# Altium PCB POT 10x8.PcbDoc (part 1 of 4)
Units mm, origin at the board's own origin, x right, y up, seen from the top; angles counter-clockwise.
Board outline 130 x 71 mm, 4 copper layers (Top Layer, Mid Layer 1, Mid Layer 2, Bottom Layer), stack 0.97 mm thick; 325 components, 354 nets, 1535 pads, 954 vias.
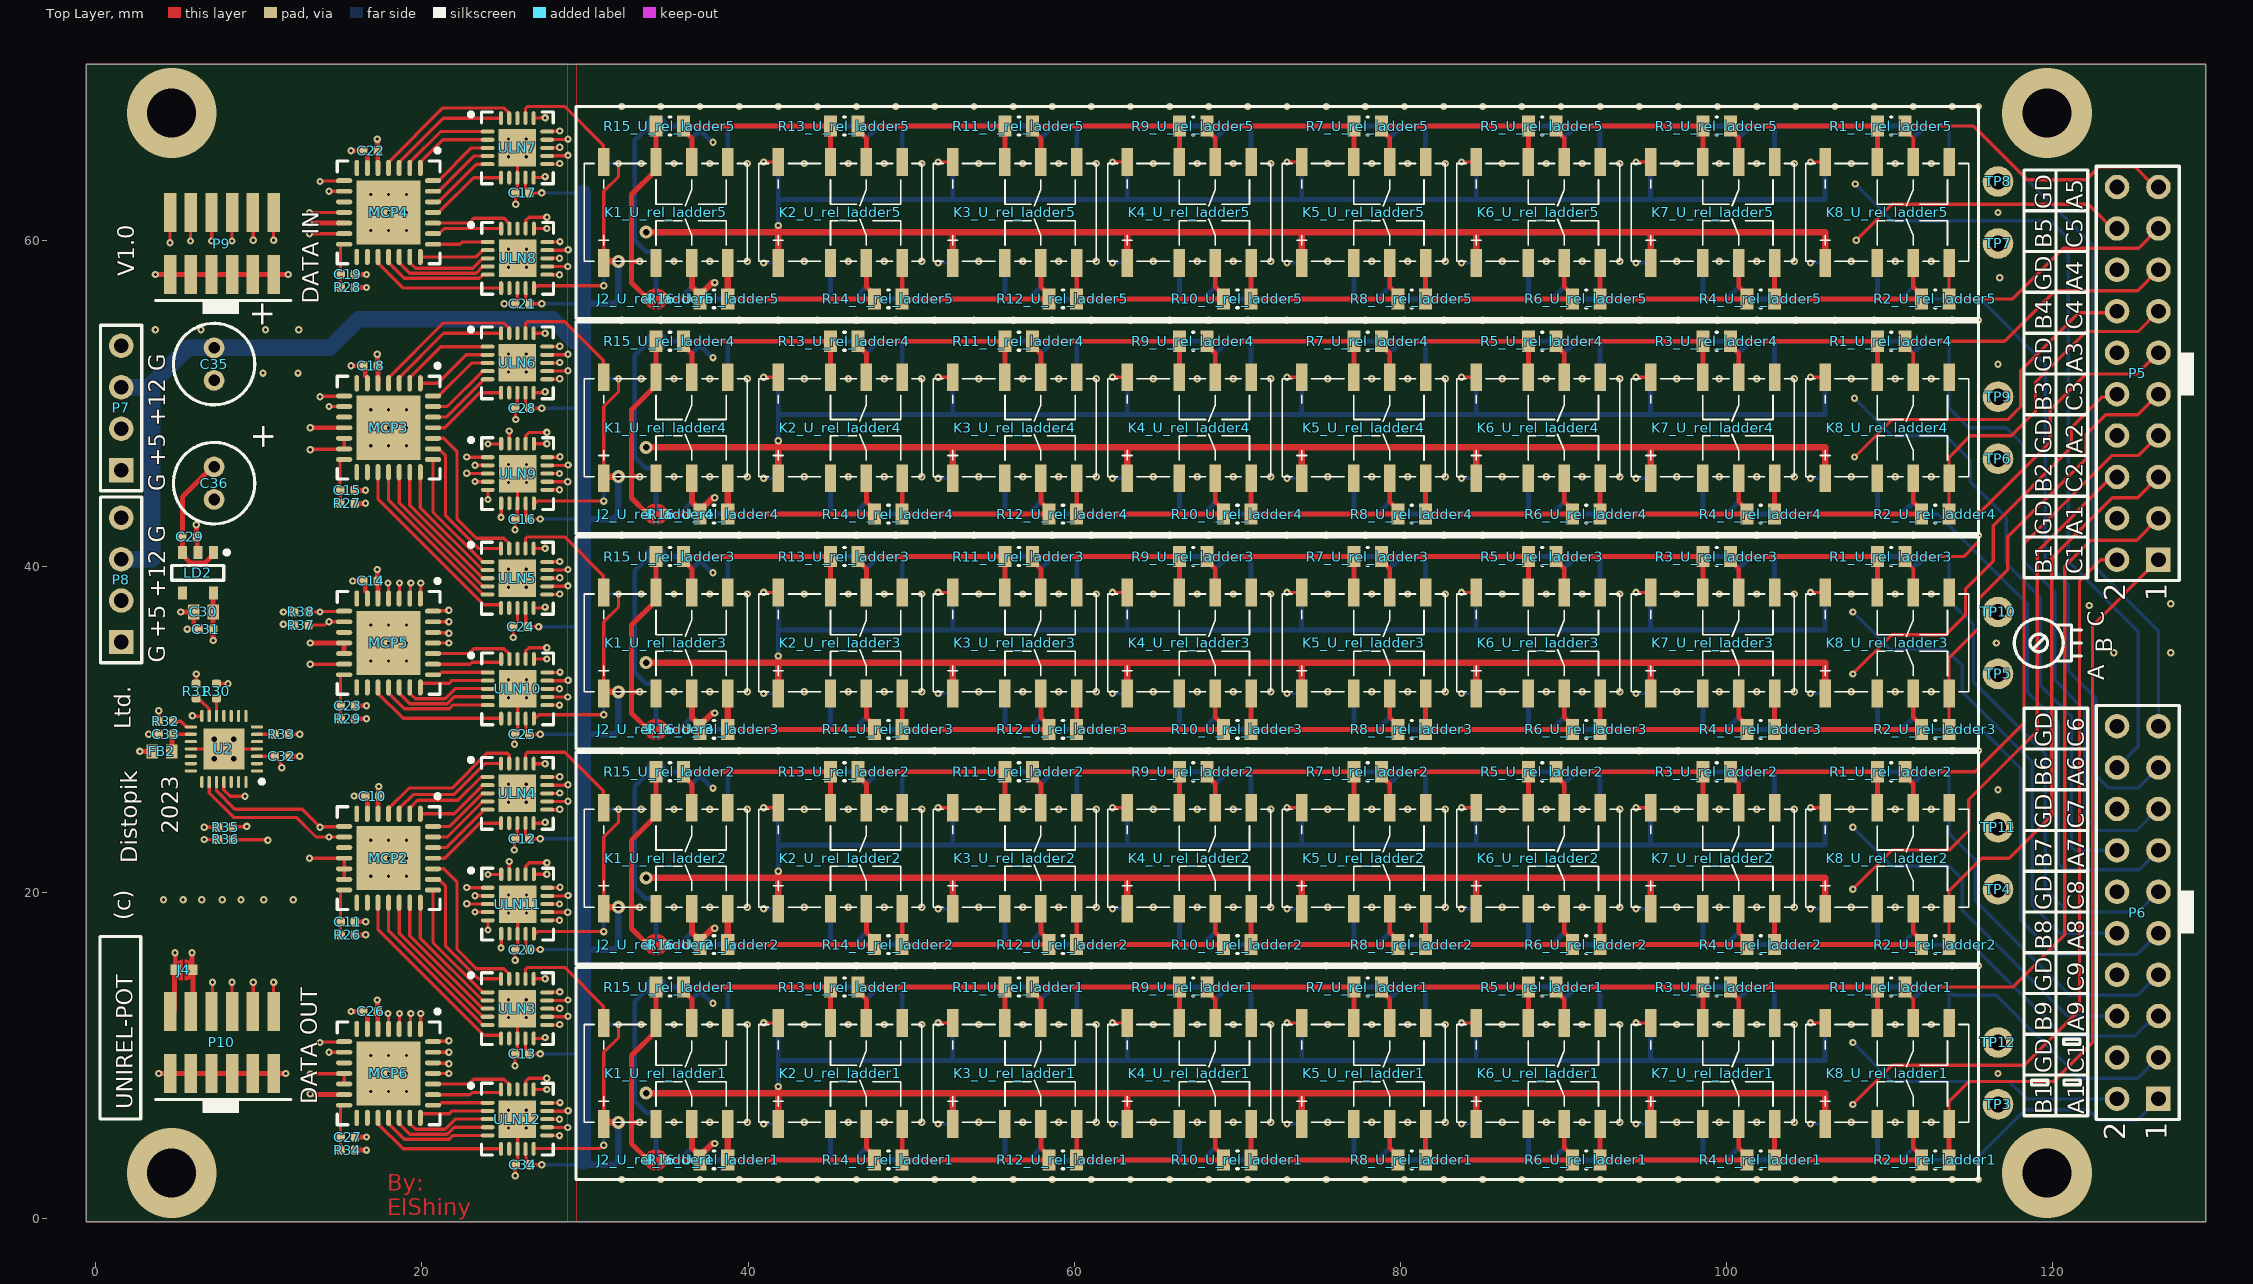
[diagram p0: Top Layer view]
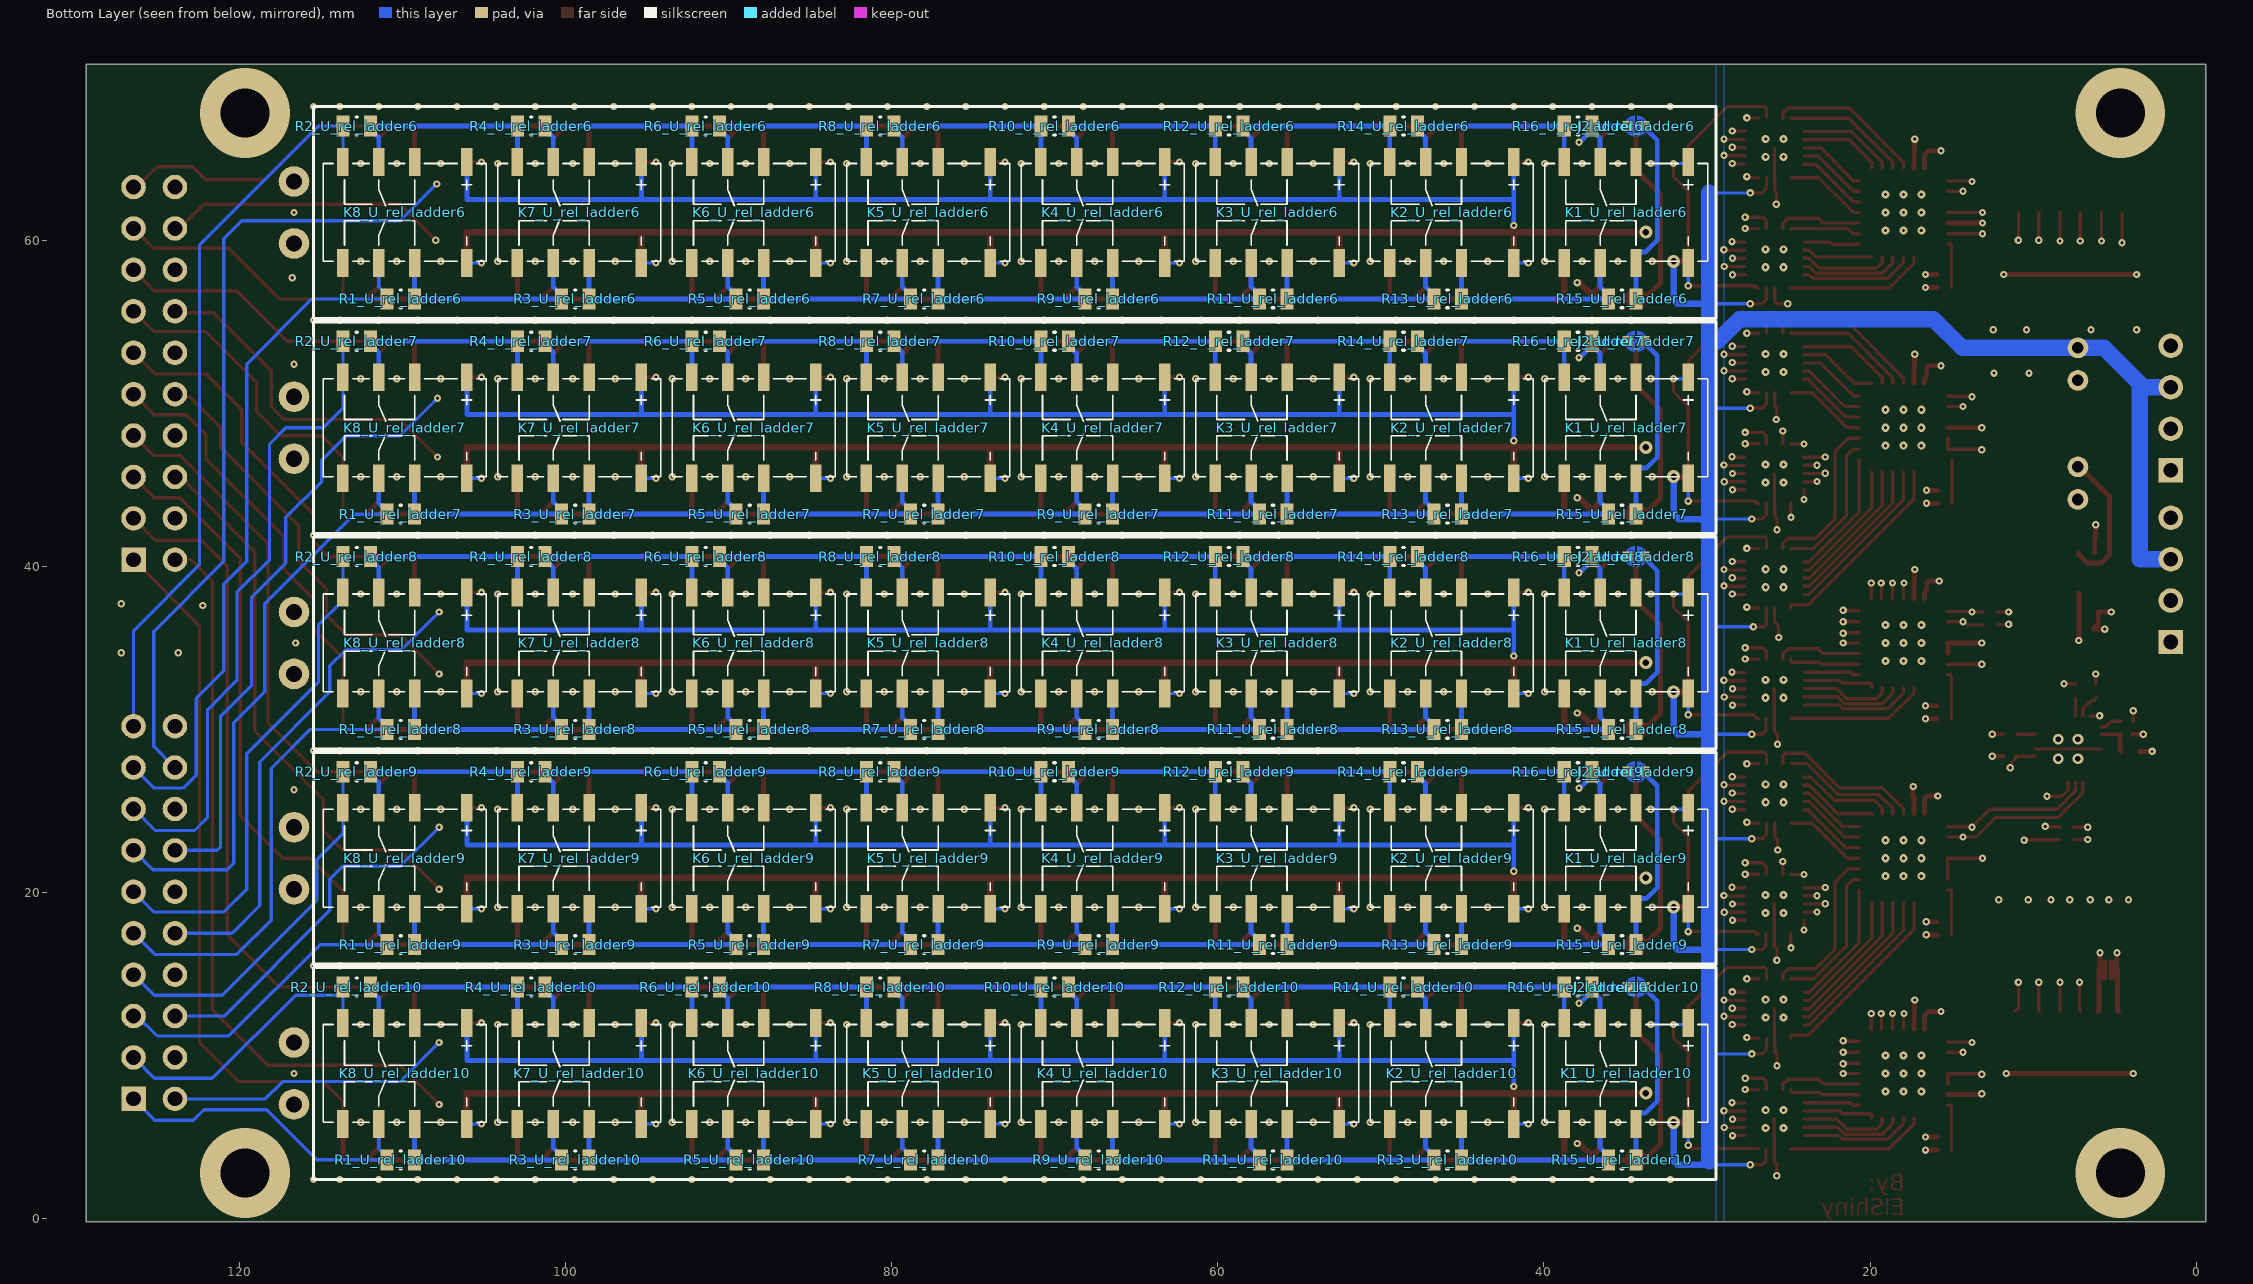
[diagram p1: Bottom Layer view, seen from below]
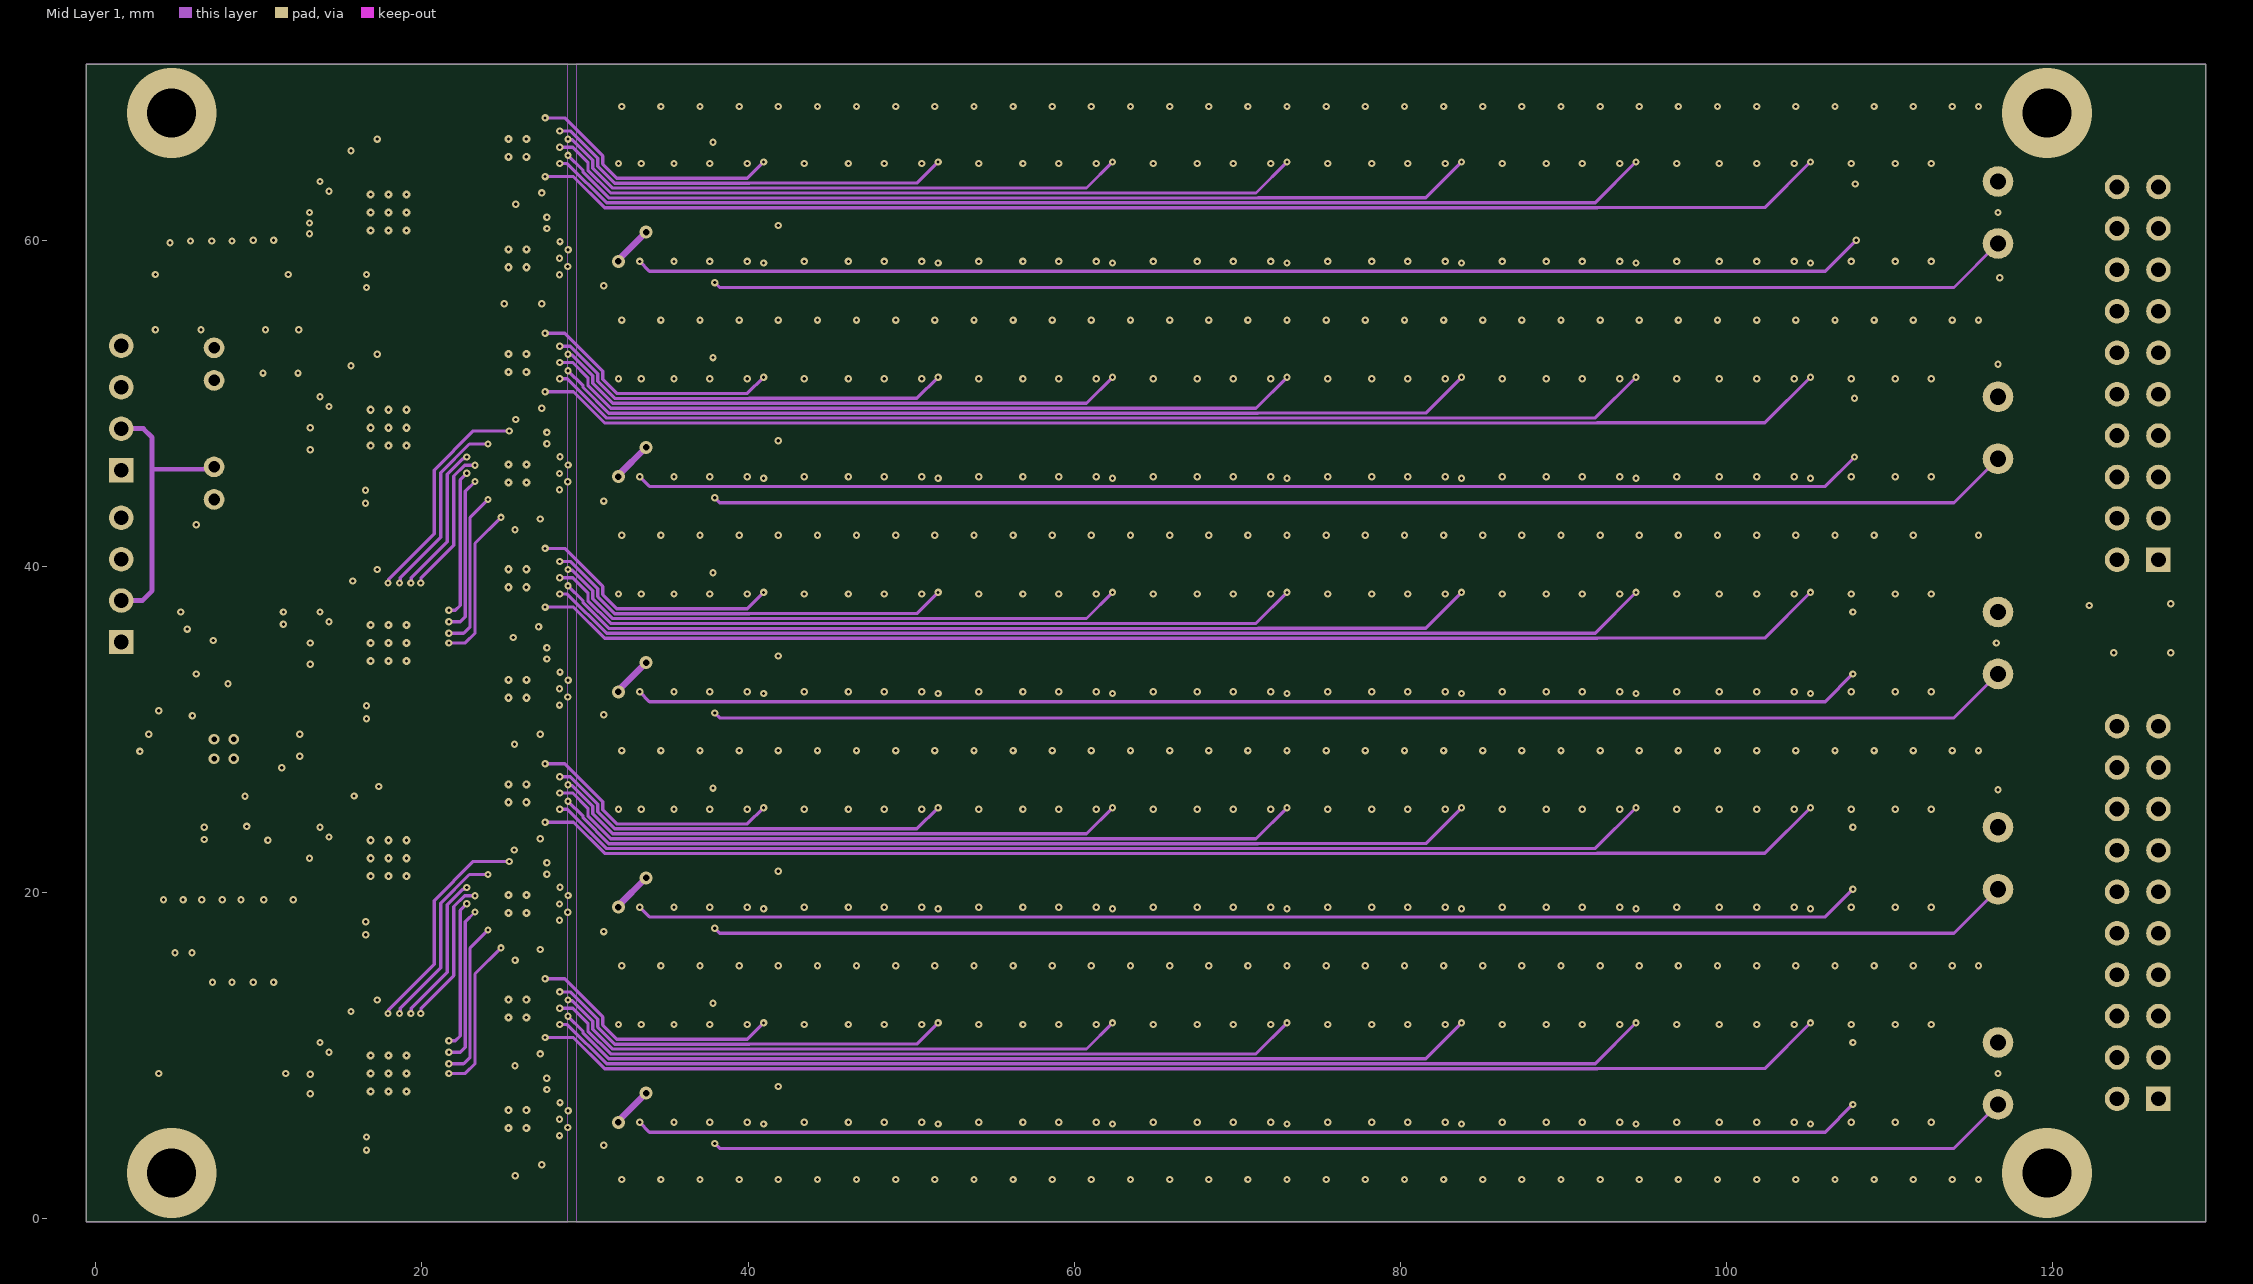
[diagram p2: Mid Layer 1]
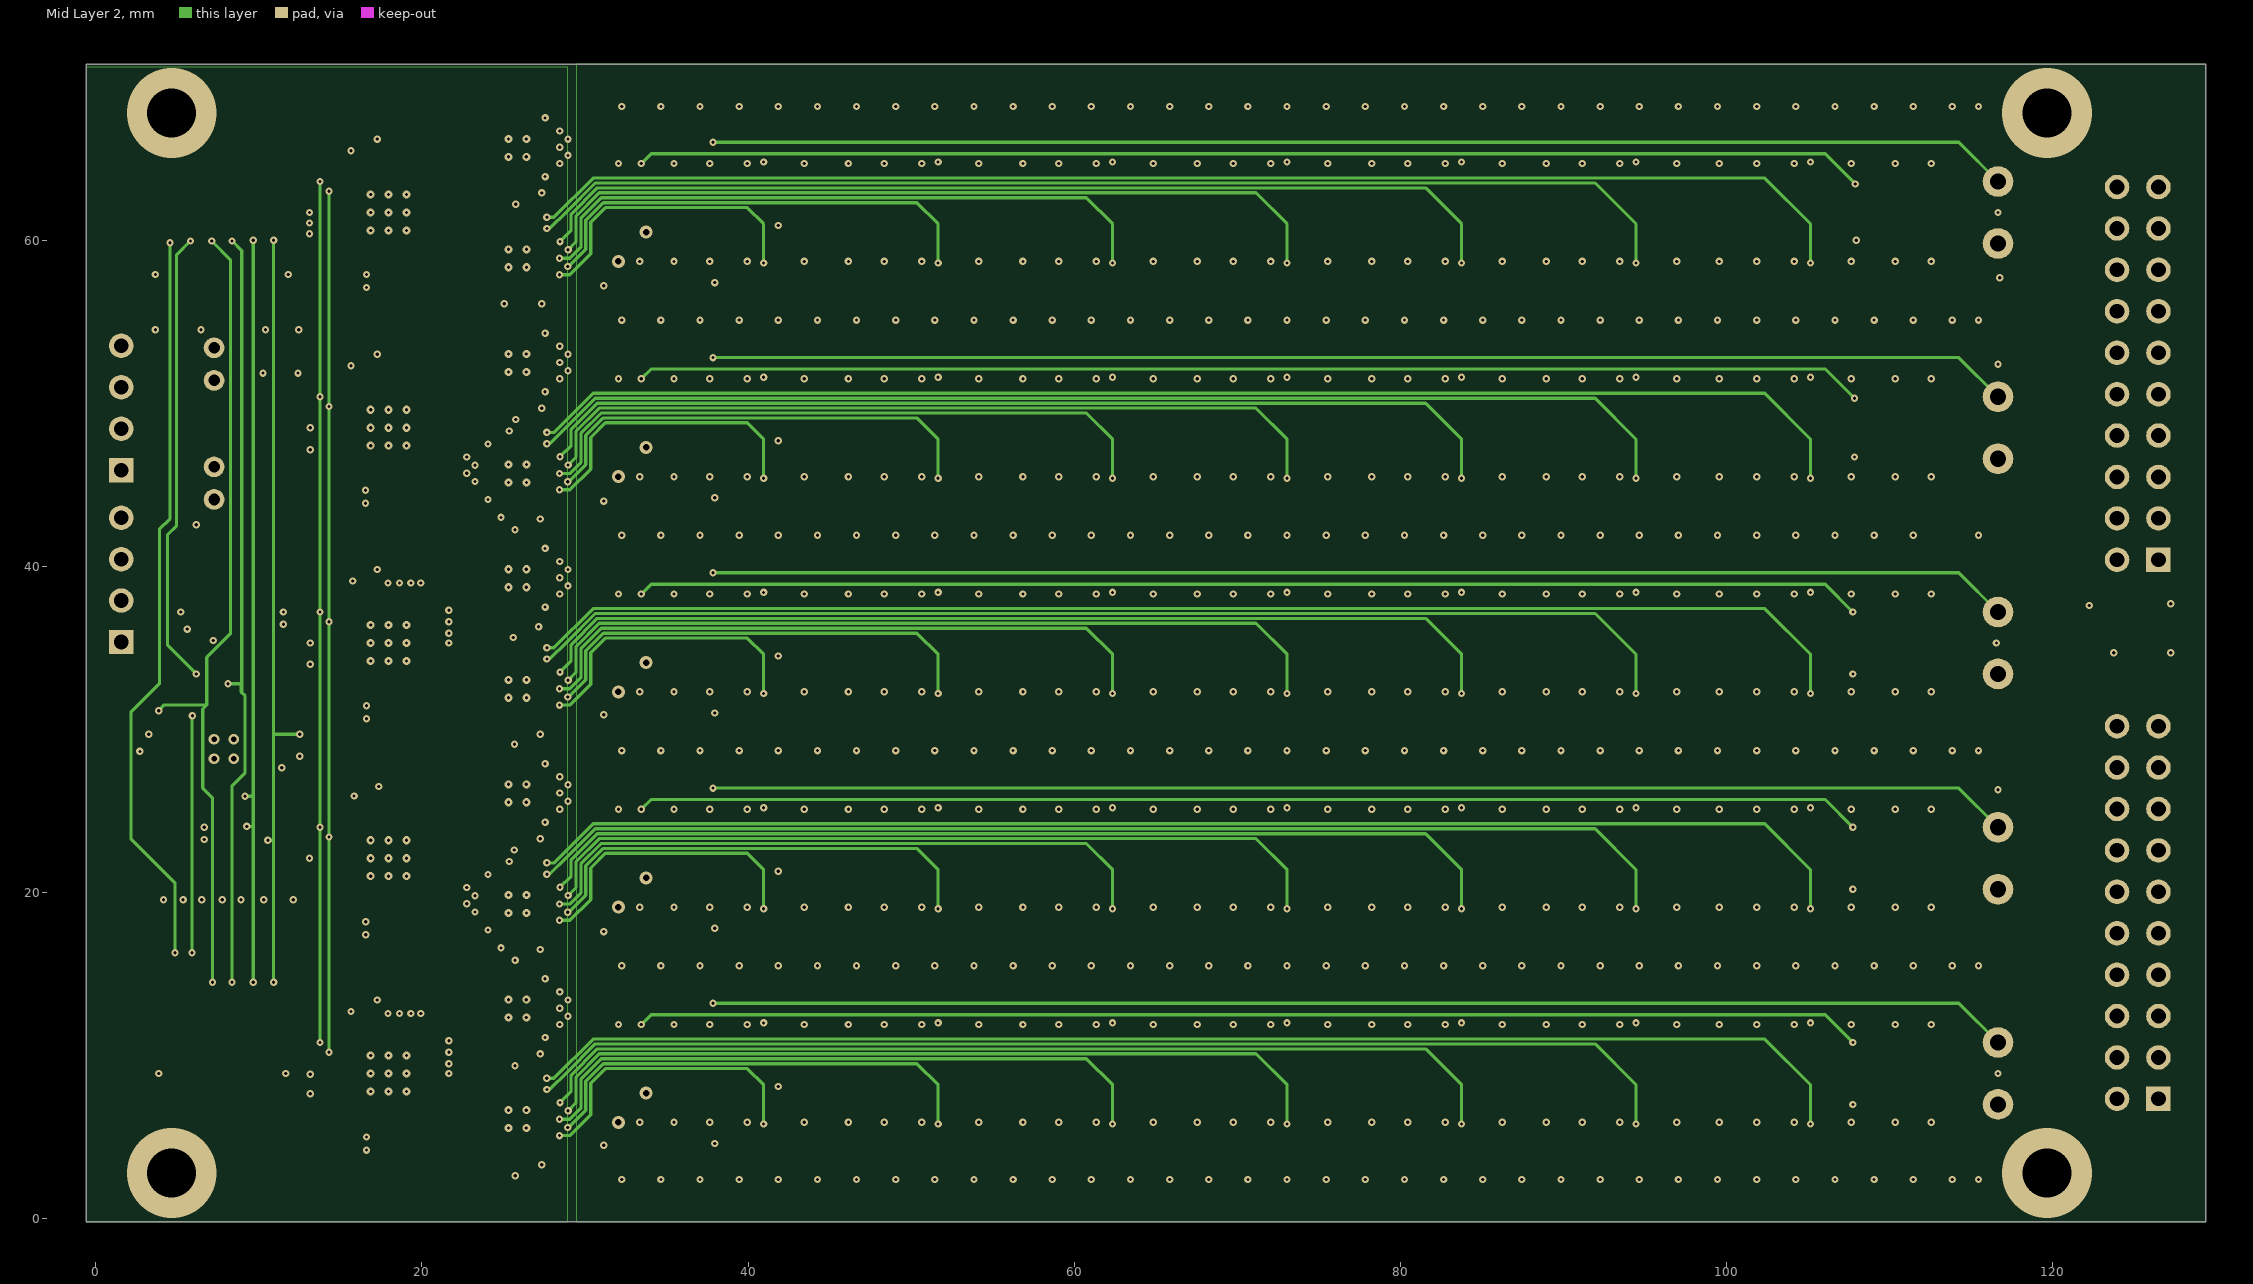
[diagram p3: Mid Layer 2]
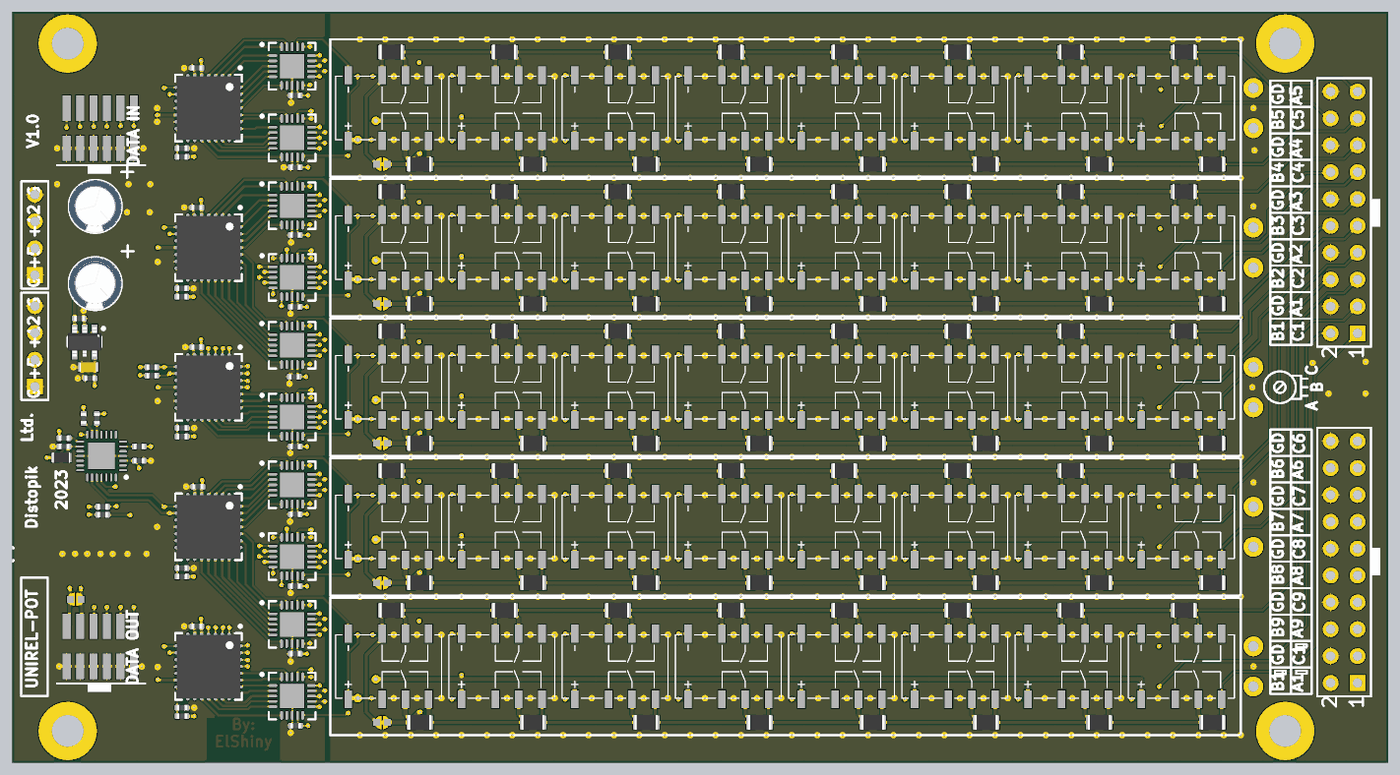
[diagram p7: 3D render of the assembled board from above, using the file's embedded part models]
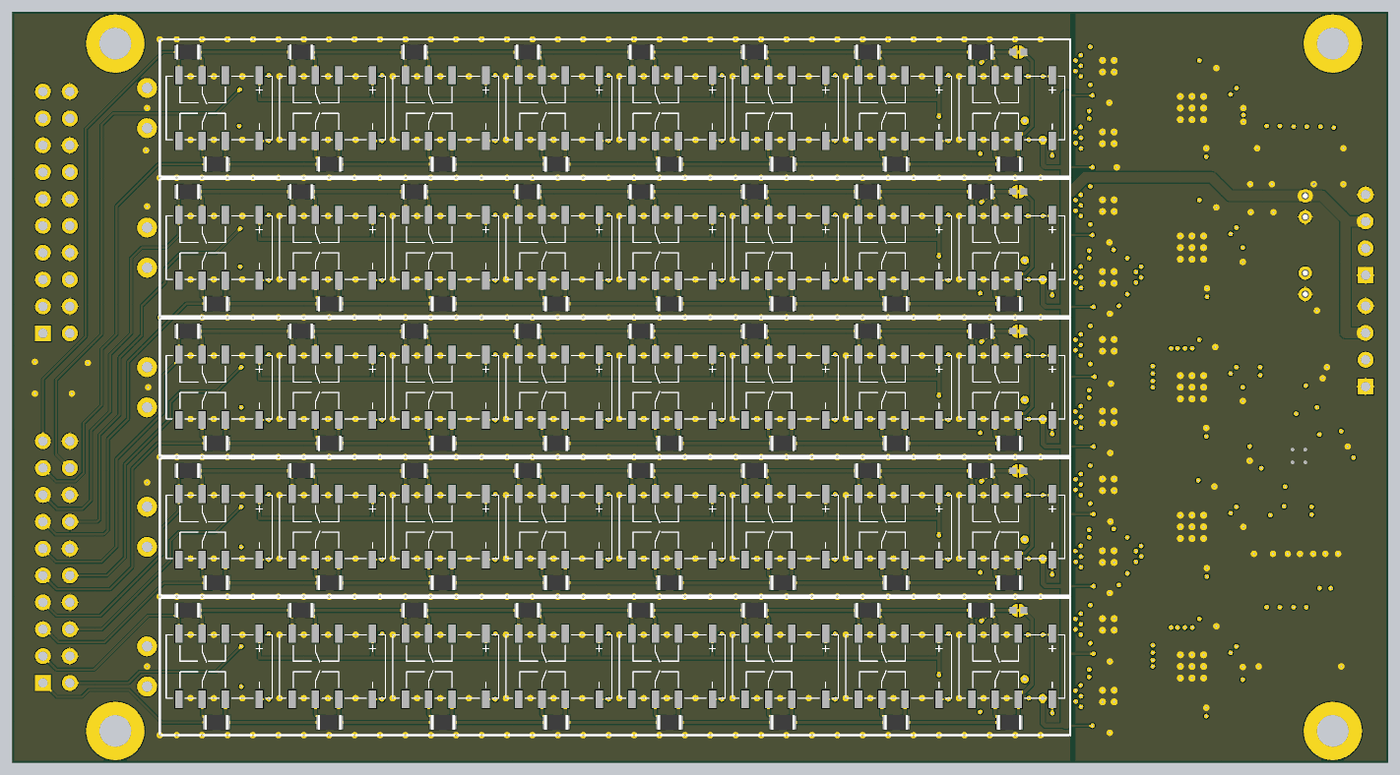
[diagram p8: 3D render of the assembled board from below, using the file's embedded part models]

## Layer stack, top to bottom
Top Solder: solder mask 0.0127, Solder Resist, Dk 3.8
Top Layer: signal copper 0.035
Dielectric 1: prepreg 0.2, 7628, Dk 4.6
Mid Layer 1: signal copper 0.0175
Core: core 0.465, FR-4, Dk 4.5
Mid Layer 2: signal copper 0.0175
Dielectric 2: prepreg 0.2, 7628, Dk 4.6
Bottom Layer: signal copper 0.035
Bottom Solder: solder mask 0.0127, Solder Resist, Dk 3.8

## Board outline
-0.6,-0.2 -0.6,70.8 129.4,70.8 129.4,-0.2

## Design rules (kind name [scope] priority, off if disabled: settings)
BoardOutlineClearance [All] p1: gap=0.2 ignorepadtopadclearanceinfootprint=FALSE
Clearance [All] p1: gap=0.102 ignorepadtopadclearanceinfootprint=FALSE except(0.127: Arc-Via Track-Via SMDPad-Via THPad-Via Via-Via Via-Fill Via-Poly Via-Region Via-Text; 0.25: Arc-Hole Track-Hole SMDPad-Hole THPad-Hole Via-Hole Fill-Hole Poly-Hole Region-Hole Text-Hole)
ComponentClearance [All] p1: gap=0.102 collisioncheckmode=3 verticalgap=0.102 showdistances=TRUE
DiffPairsRouting [All] p1: maxlimit=0.102 minlimit=0.102 mostfreqgap=0.102 toplayer_minwidth=0.102 toplayer_maxwidth=1816.048 toplayer_prefwidth=0.102 midlayer1_minwidth=0.102 midlayer1_maxwidth=1816.048 midlayer1_prefwidth=0.102 midlayer2_minwidth=0.102 midlayer2_maxwidth=1816.048 midlayer2_prefwidth=0.102 bottomlayer_minwidth=0.102 bottomlayer_maxwidth=1816.048 bottomlayer_prefwidth=0.102 maxuncoupledlength=12.7
Height [All] p1: minheight=0 maxheight=1816.048 prefheight=12.7
HoleSize [All] p1: absolutevalues=TRUE maxlimit=6.3 minlimit=0.2 maxpercent=80.000 minpercent=20.000
HoleToHoleClearance [All] p1: gap=0.25 allowstackedmicrovias=FALSE
MinimumAnnularRing [All] p1: minimumring=0.076
MinimumSolderMaskSliver [All] p1: minsoldermaskwidth=0
PlaneClearance [All] p1: clearance=0.102
PlaneConnect PlaneConnectPowerPads [InPadClass('PowerPads')] p1: planeconnectstyle=Direct reliefexpansion=0.508 reliefentries=4 reliefconductorwidth=0.254 reliefairgap=0.254
PlaneConnect [All] p2: pad.planeconnectstyle=Relief pad.reliefexpansion=0.3 pad.reliefentries=4 pad.reliefconductorwidth=0.102 pad.reliefairgap=0.102 via.planeconnectstyle=Direct via.reliefexpansion=0.3 via.reliefentries=4 via.reliefconductorwidth=0.127 via.reliefairgap=0.127
PolygonConnect PolygonConnectPowerPads [All vs (InPadClass('PowerPads'))] p1: connectstyle=Direct reliefconductorwidth=0.254 reliefentries=4 polygonreliefangle="90 Angle" airgapwidth=0.254
PolygonConnect [All] p2: thpad.connectstyle=Relief thpad.reliefconductorwidth=0.102 thpad.reliefentries=4 thpad.polygonreliefangle="90 Angle" thpad.airgapwidth=0.102 smdpad.connectstyle=Relief smdpad.reliefconductorwidth=0.102 smdpad.reliefentries=4 smdpad.polygonreliefangle="90 Angle" smdpad.airgapwidth=0.102 via.connectstyle=Direct via.reliefconductorwidth=0.127 via.reliefentries=4 via.polygonreliefangle="90 Angle" via.airgapwidth=0.127
RoomDefinition U_rel_ladder9 [InComponentClass('U_rel_ladder9')] p1: confinementstyle=ConfineIn formatcopy=FALSE lockcomponents=TRUE outline 22.45,15.5 115.55,15.5 115.55,28.7 22.45,28.7
RoomDefinition U_rel_ladder8 [InComponentClass('U_rel_ladder8')] p2: confinementstyle=ConfineIn formatcopy=FALSE lockcomponents=TRUE outline 22.45,28.7 115.55,28.7 115.55,41.9 22.45,41.9
RoomDefinition U_rel_ladder7 [InComponentClass('U_rel_ladder7')] p3: confinementstyle=ConfineIn formatcopy=FALSE lockcomponents=TRUE outline 22.45,41.9 115.55,41.9 115.55,55.1 22.45,55.1
RoomDefinition U_rel_ladder6 [InComponentClass('U_rel_ladder6')] p4: confinementstyle=ConfineIn formatcopy=FALSE lockcomponents=TRUE outline 22.45,55.1 115.55,55.1 115.55,68.3 22.45,68.3
RoomDefinition U_rel_ladder10 [InComponentClass('U_rel_ladder10')] p5: confinementstyle=ConfineIn formatcopy=FALSE lockcomponents=TRUE outline 22.45,2.3 115.55,2.3 115.55,15.5 22.45,15.5
RoomDefinition U_rel_ladder5 [InComponentClass('U_rel_ladder5')] p6: confinementstyle=ConfineIn formatcopy=TRUE lockcomponents=FALSE outline 22.45,55.1 115.55,55.1 115.55,68.3 22.45,68.3
RoomDefinition U_rel_ladder4 [InComponentClass('U_rel_ladder4')] p7: confinementstyle=ConfineIn formatcopy=TRUE lockcomponents=FALSE outline 22.45,41.9 115.55,41.9 115.55,55.1 22.45,55.1
RoomDefinition U_rel_ladder3 [InComponentClass('U_rel_ladder3')] p8: confinementstyle=ConfineIn formatcopy=TRUE lockcomponents=FALSE outline 22.45,28.7 115.55,28.7 115.55,41.9 22.45,41.9
RoomDefinition U_rel_ladder2 [InComponentClass('U_rel_ladder2')] p9: confinementstyle=ConfineIn formatcopy=TRUE lockcomponents=FALSE outline 22.45,15.5 115.55,15.5 115.55,28.7 22.45,28.7
RoomDefinition U_rel_ladder1 [InComponentClass('U_rel_ladder1')] p10: confinementstyle=ConfineIn formatcopy=TRUE lockcomponents=TRUE outline 22.45,2.3 115.55,2.3 115.55,15.5 22.45,15.5
RoutingVias [All] p1: holewidth=0.2 width=0.45 viastyle="Through Hole" minholewidth=0.2 minwidth=0.45 maxholewidth=6.3 maxwidth=6.55
SilkToSilkClearance [All] p1: silktosilkclearance=0
SilkToSolderMaskClearance [IsPad] p1: minsilkscreentomaskgap=0.102 clearancetoexposedcopper=TRUE
SolderMaskExpansion [All] p1: expansion=0.075 istentingtop=FALSE
Width [All] p1: maxlimit=1816.048 minlimit=0.102 preferedwidth=0.102
20 further rules are at their usual default settings.
